# Altium PCB STLINKV2-1.PcbDoc
Units mm, origin at the board's own origin, x right, y up, seen from the top; angles counter-clockwise.
Board outline 30.3 x 20.25 mm, 2 copper layers (Top Layer, Bottom Layer); 46 components, 40 nets, 157 pads, 63 vias.
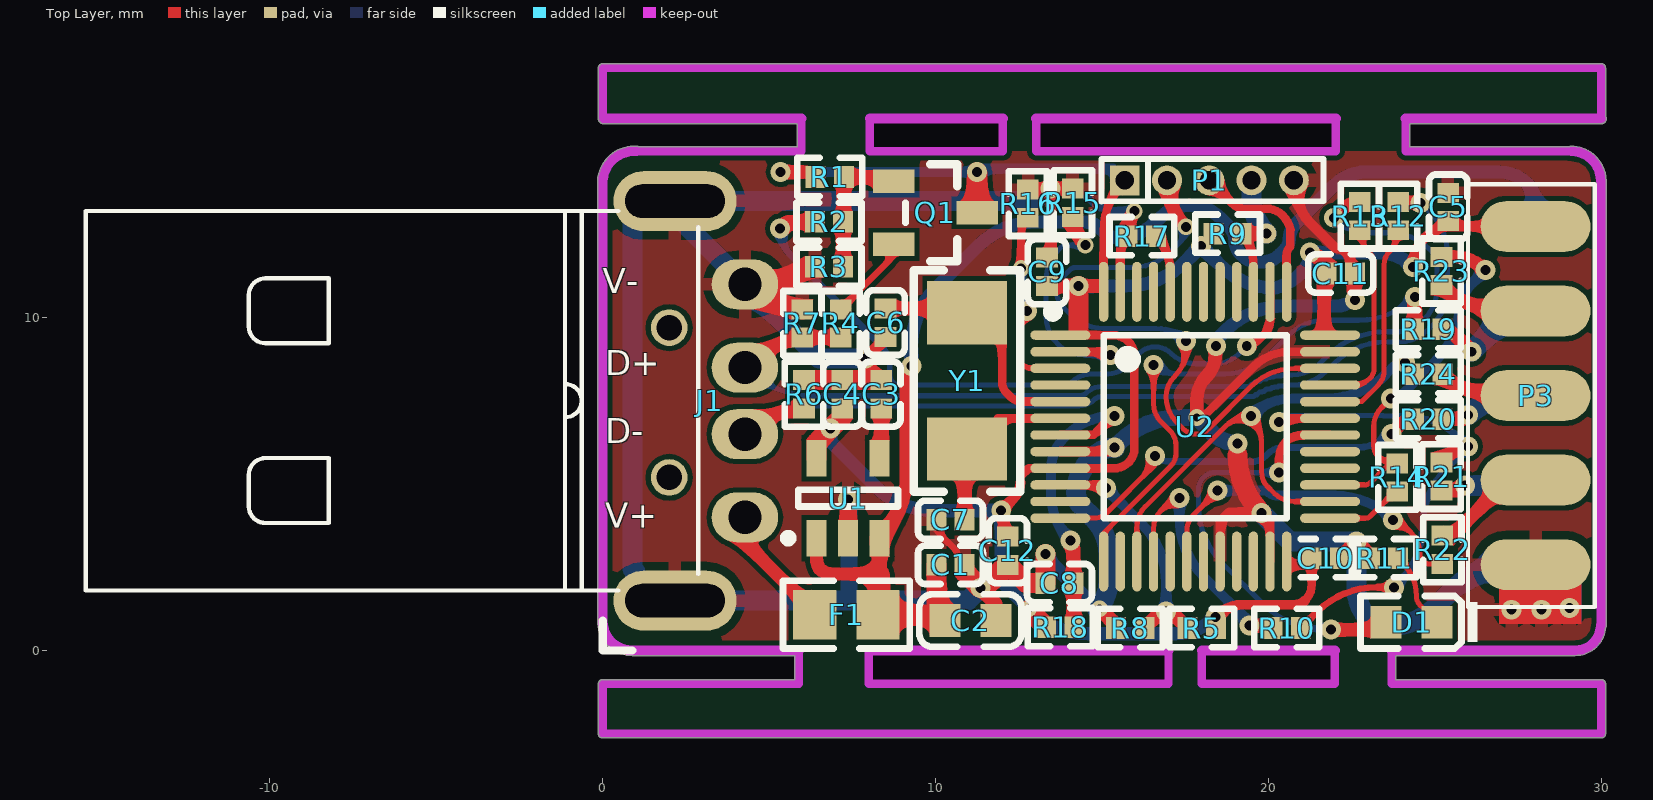
[diagram p0: Top Layer view]
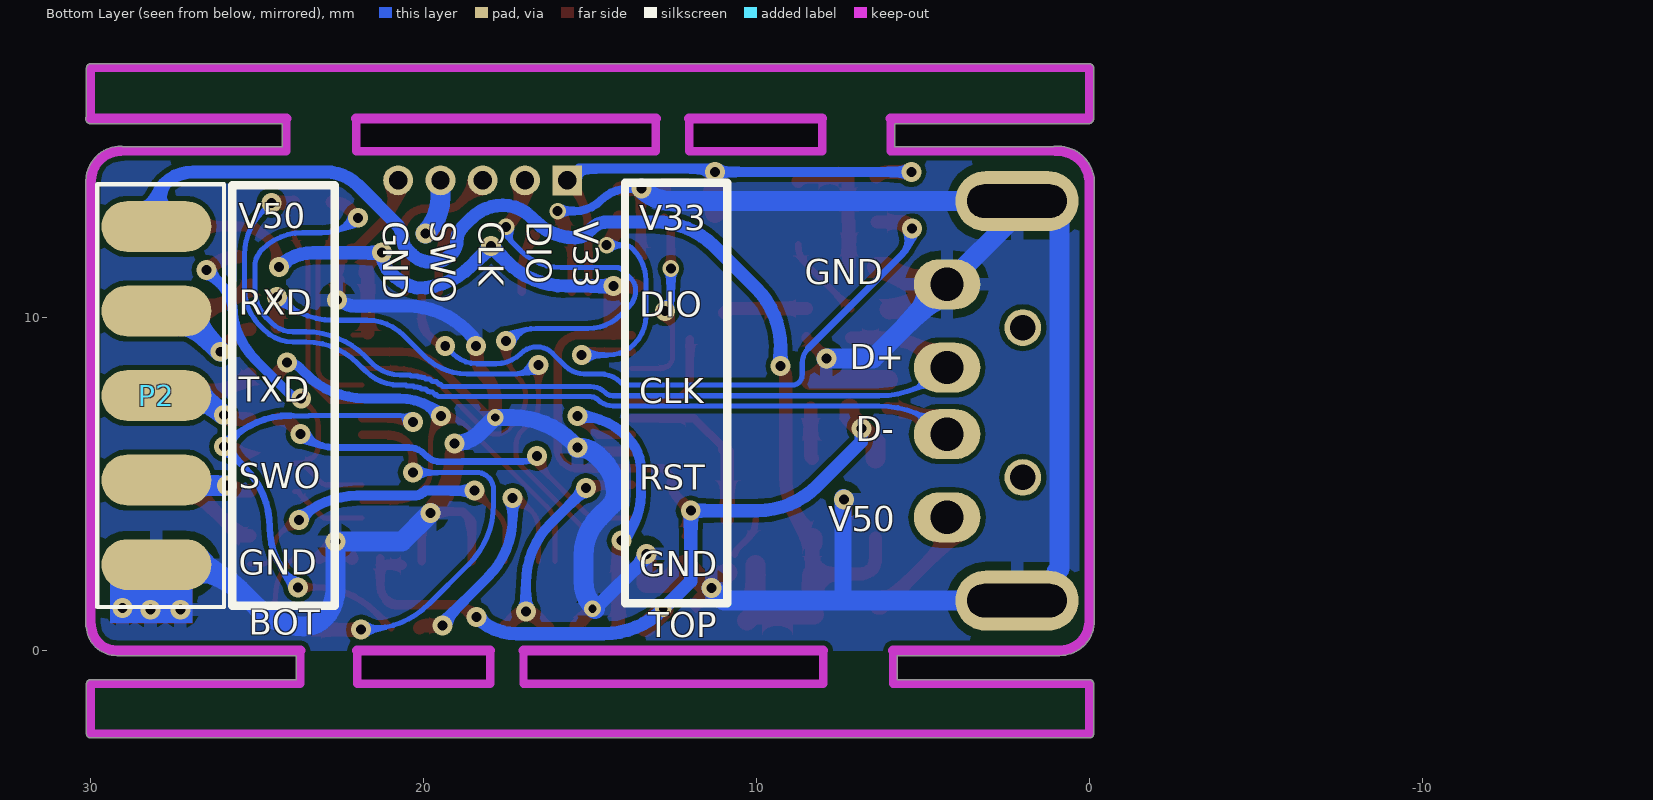
[diagram p1: Bottom Layer view, seen from below]
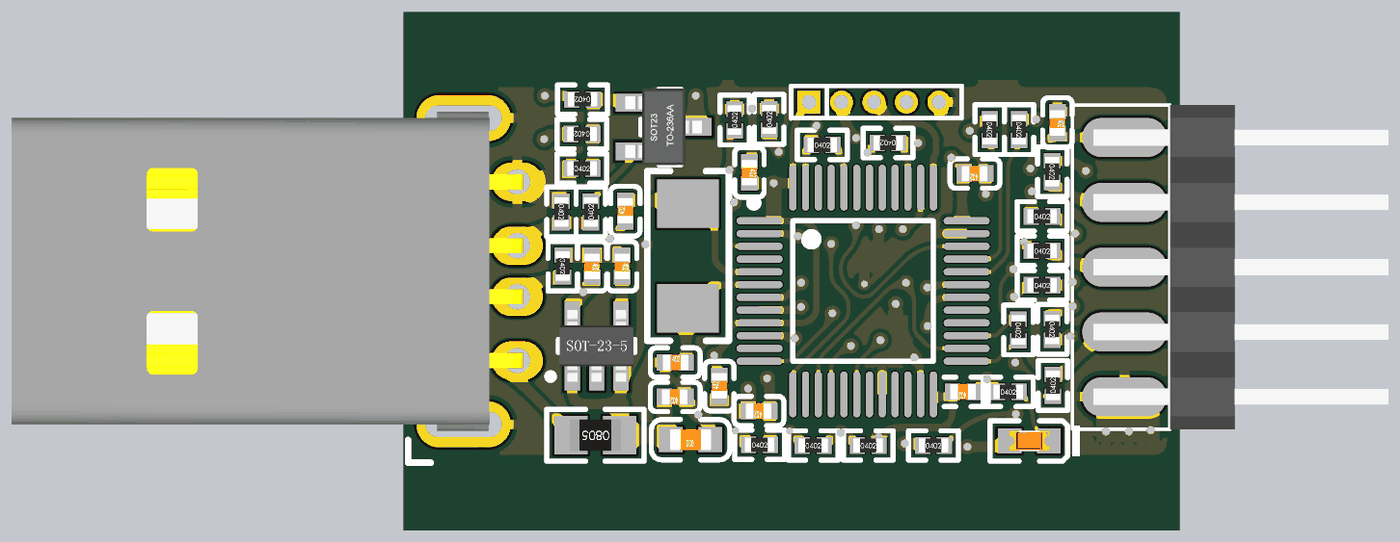
[diagram p2: 3D render of the assembled board from above, using the file's embedded part models]

## Layer stack, top to bottom
Top Solder: solder mask 0.0102, Solder Resist, Dk 3.5
Top Layer: signal copper 0.0356
Dielectric 1: dielectric 0.32, FR-4, Dk 4.8
Bottom Layer: signal copper 0.0356
Bottom Solder: solder mask 0.0102, Solder Resist, Dk 3.5

## Board outline
-0.127,-2.5 -0.127,-1 cw(c0,-1) 0,-0.873 5.773,-0.873 5.773,-0.15 0.889,-0.15 cw(c0.889,0.889) -0.15,0.889 cw(c0,0.889) -0.15,0.89 -0.15,14.111 cw(c0,14.111) -0.15,14.122 cw(c0.953,14.048) 1.026,15.15 cw(c1.016,15) 1.096,15.127 5.848,15.127 5.848,15.825 0.025,15.825 cw(c0.025,15.975) -0.115,15.921 cw(c0,15.975) -0.127,15.975 -0.127,17.5 cw(c0,17.5) 0,17.627 30,17.627 cw(c30,17.5) 30.127,17.5 30.127,16.055 cw(c30,15.975) 30.15,15.975 cw(c30,15.975) 30,15.825 24.252,15.825 24.252,15.127 29.02,15.127 cw(c29.1,15) 29.1,15.15 cw(c29.1,14.111) 30.138,14.172 cw(c30,14.111) 30.15,14.111 30.15,0.762 cw(c30,0.762) 30.135,0.696 cw(c29.225,0.762) 29.225,-0.15 23.827,-0.15 23.827,-0.873 30,-0.873 cw(c30,-1) 30.127,-1 30.127,-2.5 cw(c30,-2.5) 30,-2.627 0,-2.627 cw(c0,-2.5)
cut-out: 8,-1 17,-1 17,0 8,0
cut-out: 13.025,15 13.025,15.975 22.025,15.975 22.025,15
cut-out: 18,-1 22,-1 22,0 18,0
cut-out: 8.025,15 8.025,15.975 12.025,15.975 12.025,15

## Design rules (kind name [scope] priority, off if disabled: settings)
Clearance Clearance_2 [InNamedPolygon('Bottom Layer')] p1: gap=0.152 ignorepadtopadclearanceinfootprint=FALSE except(0: Arc-Text Arc-Hole Track-Text Track-Hole SMDPad-Text SMDPad-Hole THPad-Text THPad-Hole Via-Text Via-Hole Fill-Text Fill-Hole Poly-Text Poly-Hole Region-Text Region-Hole Text-Text Text-Hole)
Clearance Clearance_1 [InNamedPolygon('TOP Layer')] p2: gap=0.152 ignorepadtopadclearanceinfootprint=FALSE except(0: Arc-Text Arc-Hole Track-Text Track-Hole SMDPad-Text SMDPad-Hole THPad-Text THPad-Hole Via-Text Via-Hole Fill-Text Fill-Hole Poly-Text Poly-Hole Region-Text Region-Hole Text-Text Text-Hole)
Clearance [All] p3: gap=0.152 ignorepadtopadclearanceinfootprint=FALSE except(0: Arc-Hole Track-Hole SMDPad-Hole THPad-Hole Via-Hole Fill-Hole Poly-Hole Region-Hole Text-Hole)
ComponentClearance [All] p1 off: gap=0.254 collisioncheckmode=3 verticalgap=0.254 showdistances=FALSE
DiffPairsRouting [All] p1: maxlimit=0.254 minlimit=0.152 mostfreqgap=0.152 toplayer_minwidth=0.152 toplayer_maxwidth=0.381 toplayer_prefwidth=0.152 bottomlayer_minwidth=0.152 bottomlayer_maxwidth=0.381 bottomlayer_prefwidth=0.152 maxuncoupledlength=12.7
Height [All] p1 off: minheight=0 maxheight=25.4 prefheight=12.7
HoleSize [All] p1: absolutevalues=TRUE maxlimit=5 minlimit=0.025 maxpercent=80.000 minpercent=20.000
PolygonConnect PolygonConnect_2 [All vs IsNamedPolygon('TOP Layer')] p1: connectstyle=Relief reliefconductorwidth=0.381 reliefentries=4 polygonreliefangle="90 Angle" airgapwidth=0.254
PolygonConnect PolygonConnect_1 [All vs IsNamedPolygon('Bottom Layer')] p2: connectstyle=Relief reliefconductorwidth=0.381 reliefentries=4 polygonreliefangle="90 Angle" airgapwidth=0.254
PolygonConnect [All] p3: connectstyle=Relief reliefconductorwidth=0.254 reliefentries=4 polygonreliefangle="90 Angle" airgapwidth=0.254
RoutingVias [All] p1: holewidth=0.3 width=0.6 viastyle="Through Hole" minholewidth=0.25 minwidth=0.5 maxholewidth=0.7 maxwidth=1
SolderMaskExpansion [All] p1: expansion=0.102 istentingtop=FALSE
Width [All] p1: maxlimit=1.27 minlimit=0.152 preferedwidth=0.152
26 further rules are at their usual default settings.

## Classes and differential pairs
differential pair USB0: +USB0_P -USB0_N
differential pair USB: +USB_P -USB_N

## Components (designator, comment, footprint, x,y, rotation, side; value= is the part's Value field where it differs from the comment)
C1 "1.0uF (105) 10% 25V" 0402_C 10.45,2.575 r180 top
C2 "100nF (104) 10% 50V" 0603_C 11.05,0.9 r180 top
C3 "100nF (104) 10% 16V" 0402_C 8.375,7.7 r270 top
C4 "100nF (104) 10% 16V" 0402_C 7.2,7.7 r270 top
C5 "1.0uF (105) 10% 25V" 0402_C 25.4,13.325 r270 top
C6 "20pF (200) 5% 50V" 0402_C 8.5,9.85 r90 top
C7 "20pF (200) 5% 50V" 0402_C 10.45,3.925 r0 top
C8 "100nF (104) 10% 16V" 0402_C 13.725,2.025 r180 top
C9 "100nF (104) 10% 16V" 0402_C 13.35,11.375 r270 top
C10 "100nF (104) 10% 16V" 0402_C 21.725,2.775 r180 top
C11 "100nF (104) 10% 16V" 0402_C 22.175,11.325 r180 top
C12 "100nF (104) 10% 16V" 0402_C 12.175,3 r90 top
D1 "绿灯 0603" 0603_LED_S1 24.3,0.85 r180 top
F1 "Fuse1" 0805-1 7.325,1.075 r180 top
J1 "USB" USB-B 2.875,7.5 r90 top
P1 "SWD" SIP5-1.27 16.955,14.125 r180 top
P2 "P_BOTTOM" "HEADER 5" 28.025,12.74 r270 bottom
P3 "P_TOP" "HEADER 5" 28.025,2.58 r90 top
Q1 "MMBT5551  G1" SOT-23(SOT-23-3) 10,13.15 r180 top
R1 "10KΩ (1002) ±1%" 0402_R 6.825,14.225 r180 top
R2 "330Ω (3300) ±1%" 0402_R 6.8,12.875 r180 top
R3 "47KΩ (4702) ±1%" 0402_R 6.8,11.525 r0 top
R4 "1.5KΩ (1501) ±1%" 0402_R 7.15,9.825 r90 top
R5 "4.7KΩ (4701) ±1%" 0402_R 18,0.675 r0 top
R6 "1MΩ (1004) ±1%" 0402_R 6.05,7.7 r270 top
R7 "1MΩ (1004) ±1%" 0402_R 6,9.825 r270 top
R8 "4.7KΩ (4701) ±1%" 0402_R 15.85,0.675 r0 top
R9 "4.7KΩ (4701) ±1%" 0402_R 18.775,12.525 r180 top
R10 "100Ω (1000) ±1%" 0402_R 20.55,0.675 r0 top
R11 "2.2KΩ (2201) ±1%" 0402_R 23.475,2.775 r0 top
R12 "22Ω (22R0) ±1%" 0402_R 23.9,13.05 r270 top
R13 "22Ω (22R0) ±1%" 0402_R 22.75,13.05 r270 top
R14 "100Ω (1000) ±1%" 0402_R 23.875,5.2 r270 top
R15 "10KΩ (1002) ±1%" 0402_R 14.125,13.45 r90 top
R16 "10KΩ (1002) ±1%" 0402_R 12.775,13.425 r90 top
R17 "100KΩ (1003) ±1%" 0402_R 16.2,12.45 r0 top
R18 "100KΩ (1003) ±1%" 0402_R 13.75,0.7 r0 top
R19 "22Ω (22R0) ±1%" 0402_R 24.8,9.65 r0 top
R20 "22Ω (22R0) ±1%" 0402_R 24.8,6.95 r0 top
R21 "22Ω (22R0) ±1%" 0402_R 25.2,5.225 r270 top
R22 "22Ω (22R0) ±1%" 0402_R 25.225,3.025 r90 top
R23 "22Ω (22R0) ±1%" 0402_R 25.2,11.4 r270 top
R24 "22Ω (22R0) ±1%" 0402_R 24.8,8.3 r0 top
U1 "SGM2036-3.3YN5G/TR" SOT23-5 7.375,4.575 r90 top
U2 "STM32F103C8T6" LQFP-48_7x7x05P 17.8,6.725 r270 top
Y1 "X50328MSB2GI" SMD-5032_2P 10.95,8.1 r90 top

## Footprints (in the part's own frame and the unit in brackets; to place one, negate y for a bottom-side part, rotate by r counter-clockwise, add the part's x,y. Pads: shape width x height; smd on the part's side, far side on the other; paste and mask are expansions set on the pad)
0402_C [mm]
  rect 0.6x0.65 smd mask+0.051: 1(-0.425,0) 2(0.425,0)
  silkscreen extent -0.97,-0.58 0.97,0.58, body extent -0.48,-0.3 0.52,0.3, height 0.2
0402_R [mm]
  rect 0.6x0.65 smd mask+0.051: 1(-0.425,0) 2(0.425,0)
  silkscreen extent -0.97,-0.58 0.97,0.57, body extent -0.57,-0.27 0.58,0.28, height 0.41
0603_C [mm]
  rect 0.93x0.98 smd: 1(-0.77,0) 2(0.77,0)
  silkscreen extent -1.53,-0.79 1.54,0.79, body extent -0.8,-0.4 0.8,0.4, height 0.3
0603_LED_S1 [mm]
  rect 0.93x0.98 smd: A(0.77,0) K(-0.77,0)
  silkscreen extent -1.97,-0.79 1.53,0.79, body extent -0.8,-0.4 0.8,0.4, height 0.6
0805-1 [mm] "0805带丝印"
  rect 1.3x1.5 smd: 1(-0.95,0) 2(0.95,0)
  silkscreen extent -1.91,-1.02 1.9,1.02, body extent -1,-0.62 1,0.63, height 0.5
"HEADER 5" [mil]
  oval 60x130 smd: 1(0,0) 2(100,0) 3(200,0) 4(300,0) 5(400,0)
  silkscreen extent -50,-70 450,80, body extent -50,-406 450,48, height 70
LQFP-48_7x7x05P [mm]
  oval 0.28x1.8 smd mask+0.051: 1(-2.75,-4.05) 2(-2.25,-4.05) 3(-1.75,-4.05) 4(-1.25,-4.05) 5(-0.75,-4.05) 6(-0.25,-4.05) 7(0.25,-4.05) 8(0.75,-4.05) 9(1.25,-4.05) 10(1.75,-4.05) 11(2.25,-4.05) 12(2.75,-4.05) 25(2.75,4.05) 26(2.25,4.05) 27(1.75,4.05) 28(1.25,4.05) 29(0.75,4.05) 30(0.25,4.05) 31(-0.25,4.05) 32(-0.75,4.05) 33(-1.25,4.05) 34(-1.75,4.05) 35(-2.25,4.05) 36(-2.75,4.05)
  oval 1.8x0.28 smd mask+0.051: 13(4.05,-2.75) 14(4.05,-2.25) 15(4.05,-1.75) 16(4.05,-1.25) 17(4.05,-0.75) 18(4.05,-0.25) 19(4.05,0.25) 20(4.05,0.75) 21(4.05,1.25) 22(4.05,1.75) 23(4.05,2.25) 24(4.05,2.75) 37(-4.05,2.75) 38(-4.05,2.25) 39(-4.05,1.75) 40(-4.05,1.25) 41(-4.05,0.75) 42(-4.05,0.25) 43(-4.05,-0.25) 44(-4.05,-0.75) 45(-4.05,-1.25) 46(-4.05,-1.75) 47(-4.05,-2.25) 48(-4.05,-2.75)
  silkscreen extent -3.6,-4.42 2.75,2.75
SIP5-1.27 [mm]
  rect 0.9x0.9 hole 0.55: 1(1.27,0)
  round 0.9 hole 0.55: 2(0,0) 3(-1.27,0) 4(-2.54,0) 5(-3.81,0)
  silkscreen extent -4.7,-0.64 1.97,0.64
SMD-5032_2P [mm]
  rect 1.9x2.4 smd: 1(-2.05,0) 2(2.05,0)
  silkscreen extent -3.33,-1.6 3.33,1.6
SOT23-5 [mm] "Max4173"
  rect 1.1x0.6 smd: 1(-1.2,0.95) 2(-1.2,0) 3(-1.2,-0.95) 4(1.2,-0.95) 5(1.2,0.95)
  silkscreen extent -1.32,-1.5 0.25,1.92, body extent -1.4,-1.45 1.4,1.45, height 1.2
SOT-23(SOT-23-3) [mm]
  rect 1.25x0.7 smd: 1(1.25,-0.95) 2(1.25,0.95) 3(-1.25,0)
  silkscreen extent -0.65,-1.46 0.9,1.46, body extent -1.5,-1.5 1.5,1.5, height 1.3
USB-B [mm]
  oval 1.5x2 hole 1: 1(-3.5,-1.4) 2(-1,-1.4) 3(1,-1.4) 4(3.5,-1.4)
  oval 1.8x3.7 hole 1 slot 3 at 90 deg: 5(6,0.7) 6(-6,0.7)
  silkscreen extent -5.69,0 5.71,18.4, body extent -6.25,-1.63 6.25,18.4, height 4.52

## Part data
C1 C5: library part "0402 1.0uF (105) 10% 25V", "贴片电容", Package=0402, SuppliersPartNumber=C52923, ComponentLink1Description=供应商链接, ComponentLink1URL=http://www.szlcsc.com/product/details_53938.html, Supplier=LC
C2: library part "0603 100nF (104) 10% 50V", "贴片电容", Package=0603, SuppliersPartNumber=C14663, ComponentLink1Description=供应商链接, ComponentLink1URL=http://www.szlcsc.com/product/details_15331.html, Supplier=LC
C3 C4 C8 C9 C10 C11 C12: library part "0402 100nF (104) 10% 16V", "贴片电容", Package=0402, SuppliersPartNumber=C1525, ComponentLink1Description=供应商链接, ComponentLink1URL=http://www.szlcsc.com/product/details_1877.html, Supplier=LC, VAL=0.1uF
C6 C7: library part "0402 20pF (200) 5% 50V", "贴片电容", Package=0402, SuppliersPartNumber=C1554, ComponentLink1Description=供应商链接, ComponentLink1URL=http://www.szlcsc.com/product/details_1906.html, Supplier=LC, VAL=20pF
D1: library part "0603 绿灯", "发光二极管", Package=0603, SuppliersPartNumber=C72043, ComponentLink1Description=供应商链接, ComponentLink1URL=http://www.szlcsc.com/product/details_73152.html, Supplier=LC
F1: "保险丝", VAL=500mA
J1: "USB接口"
P1 P2 P3: library part "Header 5", "Header, 5-Pin"
Q1: library part "SOT-23 MMBT5551  G1", "三极管", Package=SOT-23, SuppliersPartNumber=C2145, ComponentLink1Description=供应商链接, ComponentLink1URL=http://www.szlcsc.com/product/details_2502.html, Supplier=LC
R1 R15 R16: library part "0402 10KΩ (1002) 1%", "贴片电阻", Package=0402, SuppliersPartNumber=C25744, ComponentLink1Description=供应商链接, ComponentLink1URL=http://www.szlcsc.com/product/details_26487.html, Supplier=LC
R2: library part "0402 330Ω (3300) 1%", "贴片电阻", Package=0402, SuppliersPartNumber=C25104, ComponentLink1Description=供应商链接, ComponentLink1URL=http://www.szlcsc.com/product/details_25847.html, Supplier=LC
R3: library part "0402 47KΩ (4702) 1%", "贴片电阻", Package=0402, SuppliersPartNumber=C25792, ComponentLink1Description=供应商链接, ComponentLink1URL=http://www.szlcsc.com/product/details_26535.html, Supplier=LC
R4: library part "0402 1.5KΩ (1501) 1%", "贴片电阻", Package=0402, SuppliersPartNumber=C25867, ComponentLink1Description=供应商链接, ComponentLink1URL=http://www.szlcsc.com/product/details_26610.html, Supplier=LC
R5 R8 R9: library part "0402 4.7KΩ (4701) 1%", "贴片电阻", Package=0402, SuppliersPartNumber=C25900, ComponentLink1Description=供应商链接, ComponentLink1URL=http://www.szlcsc.com/product/details_26643.html, Supplier=LC
R6 R7: library part "0402 1MΩ (1004) 1%", "TVS", Package=0402, SuppliersPartNumber=C26083, ComponentLink1Description=供应商链接, ComponentLink1URL=http://www.szlcsc.com/product/details_26826.html, Supplier=LC
R10 R14: library part "0402 100Ω (1000) 1%", "贴片电阻", Package=0402, SuppliersPartNumber=C25076, ComponentLink1Description=供应商链接, ComponentLink1URL=http://www.szlcsc.com/product/details_25819.html, Supplier=LC
R11: library part "0402 2.2KΩ (2201) 1%", "贴片电阻", Package=0402, SuppliersPartNumber=C25879, ComponentLink1Description=供应商链接, ComponentLink1URL=http://www.szlcsc.com/product/details_26622.html, Supplier=LC, VAL=2.2KΩ
R12 R13 R19 R20 R21 R22 R23 R24: library part "0402 22Ω (22R0) 1%", "贴片电阻", Package=0402, SuppliersPartNumber=C25092, ComponentLink1Description=供应商链接, ComponentLink1URL=http://www.szlcsc.com/product/details_25835.html, Supplier=LC, VAL=22Ω
R17 R18: library part "0402 100KΩ (1003) 1%", "贴片电阻", Package=0402, SuppliersPartNumber=C25741, ComponentLink1Description=供应商链接, ComponentLink1URL=http://www.szlcsc.com/product/details_26484.html, Supplier=LC
U1: library part SPX3819, "低压差线性稳压(LDO)", Package=SOT-23-5, SuppliersPartNumber=C92402, ComponentLink1Description=供应商链接, ComponentLink1URL=http://item.szlcsc.com/93595.html, Supplier=LC
U2: "STM32 ARM-based 32-bit MCU with 64 Kbytes Flash, 48-pin LQFP, Industrial Temperature", Package=LQFP-48_7x7x05P, SuppliersPartNumber=C8734, ComponentLink1Description=供应商链接, ComponentLink1URL=http://www.szlcsc.com/product/details_9243.html, Supplier=LC
Y1: library part "SMD-5032_2P 8MHz 20ppm 20pF", "贴片无源晶振8MHz ±20ppm 20pF", Package=SMD-5032_2P, SuppliersPartNumber=C115962, ComponentLink1Description=供应商链接, ComponentLink1URL=http://www.szlcsc.com/product/details_117214.html, Supplier=LC

## Free pads (board coordinates)
  round 1.1 hole 0.762: 0(2,5.2) 0(2,9.7)

## Via types
v1: diameter 0.6, hole 0.3, Top Layer to Bottom Layer, tented both sides, 56 vias
v2: diameter 0.5, hole 0.3, Top Layer to Bottom Layer, tented both sides, 4 vias
v3: diameter 0.5, hole 0.25, Top Layer to Bottom Layer, tented both sides, 3 vias

## Nets (pads, with @x,y where several pads share a name; then routed paths per layer and width w, separated by ;. In a path a pad name is that pad's centre, name@x,y a point inside that pad or via, vN(x,y) a via of type N, cw(c..) or ccw(c..) an arc to the next point about the centre after c; other vN are vias at no path point)
3.3V: C4.2 C5.2 C9.2 C10.2 C11.2 C12.2 P1.1 P3.5 Q1.3 R1.2 R5.2 R9.2 R18.1 U1.5 U2.1 U2.9 U2.24 U2.36 U2.48 | length 72.5
  Top Layer w0.152: C12.2@12.05,3.55 C12.2 ; v3@12.8,1.225 v3(12.8,1.25) ; C9.2 C9.2@13.6,10.95 ; U2.36 U2.36@22.125,9.475
  Top Layer w0.254: 12.55,5.05 12.55,5.225 12.8,5.475 U2.9 13.754,5.471 15.35,5.471 ccw(c15.35,6.124) 15.812,5.662 ; U2.1 15.317,9.475 cw(c15.317,8.792) 15.8,9.275 cw(c15.388,8.863) 15.971,8.863 15.971,6.045 cw(c15.43,6.045) 15.813,5.663 ; U2.48 15.05,12.592 cw(c17.218,12.592) P1.1 cw(c17.218,12.592) P1.1 ; 21.101,1.501 ccw(c20.617,1.983) 21.3,1.98 ccw(c20.617,1.983) 21.3,1.983 C10.2
  Top Layer w0.3: v1(11.975,4.2) 12.351,4.576 ccw(c11.878,5.05) 12.548,5.05 ; C12.2@12.05,3.55 v1@12.05,4.2 ; v1(18.406,1.002) 18.462,1.059 cw(c19.225,0.296) 19.225,1.375 20.798,1.375 ccw(c20.798,1.802) 21.1,1.5 ; U2.24@20.65,2.575 C10.2@21.3,2.575 ; v1(24.35,11.525) 24.35,11.59 cw(c25.46,11.59) 24.527,12.192 cw(c25.46,11.59) 24.675,12.375 24.715,12.415 cw(c25.5,11.629) 25.5,12.74 P3.5
  Top Layer w0.4: v1(5.35,14.375) 6.038,14.375 cw(c6.038,13.863) R1.2@6.4,14.225 ; U1.5 U1.5@6.475,5.825 ; C9.2@13.6,10.95 v1@14.275,10.95 ; v1(14.3,10.95) 14.9,10.95 ; v1(21.25,11.95) 21.175,11.95 cw(c21.175,11.375) 21.75,11.375 C11.2 ; U2.36@21.675,9.55 C11.2@21.675,11.3
  Top Layer w0.6: U1.5 6.425,6.25 v1(6.85,6.675) 7.2,7.025 C4.2 ; Q1.3 v1(11.25,14.375) ; v3@12.8,1.225 R18.1 ; v1@14.275,10.95 v1(14.3,10.95) 14.3,9.635
  Bottom Layer w0.3: v1(5.35,14.375) v1(11.25,14.375) 11.352,14.477 15.333,14.477 P1.1
  Bottom Layer w0.4: v1(6.85,6.675) 6.85,6.275 8.181,4.944 ccw(c9.977,6.74) 9.977,4.2 v1(11.975,4.2) 11.975,2.075 v3(12.8,1.25) 12.804,1.246 ccw(c14.6,3.042) 14.6,0.502 17.198,0.502 ccw(c17.198,2.21) v1(18.406,1.002) ; v1(14.3,10.95) 15.723,10.95 ccw(c15.723,13.49) 17.519,11.694 v1(17.976,12.151) 18.56,11.567 ccw(c20.2,13.207) 20.2,10.888 ccw(c19.729,12.626) 21.003,11.353 ccw(c20.405,11.95) v1(21.25,11.95) 23.324,11.95 cw(c23.324,10.499) v1(24.35,11.525)
5V: C1.2 C2.2 F1.1 P2.1 U1.1 U1.3 | length 39.1
  Top Layer w0.4: U1.1 6.425,2.783 ccw(c7.108,2.783) 6.499,2.474 ccw(c6.919,2.894) 6.919,2.3 8.325,2.3 U1.3@8.325,3.214 ; U1.3 8.381,3.431 ccw(c6.585,5.227) 9.125,5.227 9.125,8.188 cw(c9.637,8.188) v1(9.275,8.55)
  Top Layer w0.6: 8.325,2.3 8.325,1.125 F1.1 C2.2@10.105,1.075 ; U1.3@8.325,3.214 U1.3 ; C1.2 10.025,1.155 C2.2@10.105,1.075 ; C2.2 C2.2@10.105,1.075
  Bottom Layer w0.4: v1(9.275,8.55) 9.275,9.098 cw(c11.815,9.098) 10.019,10.894 11.256,12.131 cw(c13.052,10.335) 13.052,12.875 14.467,12.875 cw(c14.467,12.192) 14.95,12.675 15.066,12.559 ccw(c15.45,12.943) 15.45,12.4 ccw(c15.45,14.09) 16.645,12.895 16.771,13.021 cw(c17.625,12.168) 17.625,13.375 cw(c17.625,12.047) 18.564,12.986 18.823,12.727 ; 18.823,12.727 cw(c18.396,12.3) 19,12.3 ccw(c19.542,12.3) 19.159,11.917 ccw(c19.923,12.681) 19.537,11.671 19.798,11.671 ccw(c19.798,12.452) 20.35,11.9 20.501,12.051 ccw(c20.203,12.35) 20.625,12.35 cw(c21.289,12.35) 20.819,12.819 21.972,13.972 cw(c22.945,12.999) 22.945,14.375 26.93,14.375 cw(c26.93,13.18) 27.775,14.025 cw(c27.171,13.421) 28.025,13.421 P2.1
BOOT0: R17.2 U2.44 | length 1.9
  Top Layer w0.152: R17.2@16.725,12.45 R17.2@16.725,12.575
  Top Layer w0.254: R17.2 cw(c15.599,11.424) 17.05,11.424 U2.44
GND: C1.1 C2.1 C3.1 C4.1 C5.1 C6.1 C7.1 C8.2 C9.1 C10.1 C11.1 C12.1 J1.4 J1.5 J1.6 P1.5 P2.5 P3.1 R3.1 R6.1 R7.1 R8.1 R11.1 R15.2 R16.2 R17.1 U1.2 U2.8 U2.20 U2.23 U2.35 U2.47 | length 123.5
  Top Layer w0.152: J1.6@2.159,1.5 J1.6 ; J1.5@2.159,13.5 J1.5 ; C7.1@10.025,3.669 C7.1 ; C1.1@10.875,2.35 C1.1 C1.1@10.875,2.819 ; v1(11.35,1.875) v1@11.475,1.875 ; C2.1@11.82,1.2 11.82,1.405 ; C9.1 C9.1@13.475,11.925 ; v1@13.475,13.85 14.1,13.85 R15.2 ; R17.1@15.55,12.25 R17.1@15.775,12.475 ; v1@19.755,4.17 v1(19.8,4.125)
  Top Layer w0.2: C7.1 ccw(c10.81,3.925) 10.255,3.37 10.579,3.046 cw(c10.409,2.875) C1.1@10.65,2.875
  Top Layer w0.254: U2.47 R17.1@15.55,12.232 ; v3@17.85,7.1 18.125,7.1 19.55,8.525 cw(c20.636,7.439) 20.636,8.975 U2.35 U2.35@22.545,8.975 ; U2.20 U2.20@18.55,3.518 ; v1@19.755,4.17 18.82,4.17 ; U2.23 U2.23@20.05,3.521 ; R17.1@15.55,12.232 cw(c16.318,12.232) 15.55,12.25 R17.1@15.55,12.232 ; U2.20@18.55,3.518 cw(c19.472,3.518) 18.82,4.17 ; U2.20@18.55,3.518 18.55,3.9 18.82,4.17 ; U2.23@20.05,3.521 ccw(c19.196,3.521) v1(19.8,4.125) 20.05,3.875 U2.23@20.05,3.521
  Top Layer w0.3: v1@7.798,8.673 v1(7.9,8.775) 8.5,9.375 C6.1 ; C9.1@13.475,11.925 v1@13.475,13.85 ; U2.8 15.3,5.975 15.375,6.05 v1(15.375,6.1) ; P1.5 20.765,14.056 ccw(c22.506,14.056) 21.275,12.825 21.954,12.146 ccw(c22.125,12.316) 22.125,12.075 cw(c22.125,11.894) 22.253,12.022 22.353,11.922 cw(c21.936,11.506) 22.525,11.506 ccw(c22.781,11.506) C11.1
  Top Layer w0.4: v1(7.9,8.775) ccw(c8.323,8.775) 8.024,8.476 C3.1 ; v1(11.35,1.875) 11.82,1.405 ; R16.2 v1@13.45,13.85 ; v1(13.45,13.875) R15.2 ; v3(14.925,1.25) 15.425,0.75 R8.1 ; R17.1 15.775,12.475 15.775,12.717 cw(c16.458,12.717) v2(15.975,13.2) ; v3@17.85,7.1 17.85,7.526 cw(c18.874,7.526) 18.15,8.25 ccw(c17.546,8.854) v1@18.355,9.126 ; 19.075,5.875 v1(19.075,6.225) v1@19.127,6.173 ; C10.1 v1(22.65,3.275) R11.1@23.125,2.8 ; v1@22.518,10.518 22.575,10.46 v1@22.575,10.525 ; v1@22.525,10.525 v1@22.575,10.525 ; C11.1@22.575,11.14 v1@22.575,10.525 ; v1(22.6,10.525) v1@22.575,10.525
  Top Layer w0.5: U1.2@7.375,3.65 v1(7.375,4.54)
  Top Layer w0.6: R7.1 cw(c6,12.604) 4.336,10.939 J1.4 4.857,11 ccw(c4.857,12.793) 6.125,11.525 R3.1 ; R6.1 C3.1 ; C1.1@10.875,2.35 v1(11.35,1.875) ; v1@11.475,1.875 C12.1 12.725,2.025 C8.2 v1(13.3,2.9) ; 19.075,5.875 ccw(c21.55,5.875) v1(19.8,4.125)
  Bottom Layer w0.254: v1(13.45,13.875) 13.83,13.875 cw(c13.83,12.68) 14.675,13.525 ccw(c15.46,14.31) 15.46,13.2 v2(15.975,13.2) ; v1@15.375,6.05 15.375,6.076 v1(15.375,6.1)
  Bottom Layer w0.4: v1(13.3,2.9) 13.3,2.802 v3@14.852,1.25 ; v1(18.425,9.15) cw(c18.847,9.15) 18.549,9.449 18.706,9.606 cw(c20.502,7.81) 20.502,10.35 22.067,10.35 ccw(c22.067,11.033) 22.55,10.55 22.574,10.525 v1(22.6,10.525) ; P1.5 P1.5@20.871,14.019
  Bottom Layer w0.5: 7.375,1.5 ccw(c7.315,1.56) 7.4,1.56 7.4,4.6 ccw(c7.46,4.54) v1(7.375,4.54) ; v1(15.375,6.1) 15.531,6.256 cw(c17.327,4.46) 17.327,7 v3(17.85,7) 18.307,6.543 ccw(c19.075,7.311) v1(19.075,6.225)
  Bottom Layer w0.6: v1(7.9,8.775) 6.5,8.775 J1.4 2.175,13.1 J1.5 ; v1(11.35,1.875) 10.975,1.5 7.375,1.5 1.55,1.5 0.995,2.054 0.995,2.356 0.9,2.451 0.9,12.85 1.55,13.5 J1.5 ; v1@13.449,13.874 cw(c12.545,14.78) 12.545,13.5 J1.5 ; v3@14.852,1.25 ccw(c14.013,2.089) 15.2,2.089 15.2,2.85 ccw(c13.57,2.85) 14.723,4.002 14.384,4.341 cw(c14.768,4.725) 14.225,4.725 cw(c15.613,4.725) 14.632,5.707 14.778,5.853 cw(c15.375,5.255) v1(15.375,6.1) ; v1@15.376,6.076 v1@15.388,6.087 ; v1(19.8,4.125) 20.65,3.275 v1(22.65,3.275) 22.65,1.82 ccw(c23.845,1.82) 23,0.975 ccw(c23.604,1.579) 23.604,0.725 ccw(c23.604,2.708) 25.006,1.306 25.536,1.836 cw(c27.332,0.04) 27.332,2.58 P2.5
  other v1: 27.3,1.225 28.2,1.225 29.05,1.275
MCO: U2.29
NetC3_2: C3.2 U1.4 | length 1.5
  Top Layer w0.4: U1.4 ccw(c8.204,5.896) 8.375,5.896 C3.2
NetC8_1: C8.1 R18.2 U2.7 | length 9.5
  Top Layer w0.152: v1@15.325,7.05 v1(15.375,7.05)
  Top Layer w0.254: U2.7 14.75,6.475 v1@15.325,7.05
  Top Layer w0.4: v1(14.05,3.3) cw(c13.809,3.059) 14.15,3.059 C8.1 14.15,0.76 ccw(c14.235,0.76) R18.2
  Bottom Layer w0.3: v1(14.05,3.3) cw(c15.438,4.688) 13.475,4.688 13.475,5.45 cw(c14.803,5.45) 13.864,6.389 13.924,6.449 cw(c15.375,4.998) v1(15.375,7.05)
NetD1_K: D1.K R11.2 | length 2.3
  Top Layer w0.152: R11.2 24.026,2.649 cw(c23.001,1.625) 24.45,1.625 ccw(c24.824,1.625) 24.56,1.36 D1.K
NetQ1_1: Q1.1 R1.1 R2.1 R3.2 | length 4.2
  Top Layer w0.4: R3.2 R2.1 ccw(c7.165,12.935) 7.25,12.935 R1.1 8.448,14.225 cw(c8.448,13.798) Q1.1
NetQ1_2: Q1.2 R4.2 | length 2.6
  Top Layer w0.2: R4.2 8.503,11.603 ccw(c7.905,12.2) Q1.2
NetR5_1: R5.1 R8.2 U2.10 | length 7.4
  Top Layer w0.254: U2.10 15.026,4.975 v1(15.126,4.875)
  Top Layer w0.4: R8.2 16.669,1.069 cw(c16.925,0.813) v1(16.925,1.175) cw(c16.925,0.813) 17.181,1.069 R5.1
  Bottom Layer w0.3: v1(15.126,4.875) 16.181,3.82 cw(c14.385,2.024) 16.925,2.024 v1(16.925,1.175)
NetR15_1: R15.1 U2.2 | length 8
  Top Layer w0.152: v1@15.15,8.975 v1(15.25,8.875)
  Top Layer w0.254: U2.2 v1@15.15,8.975
  Top Layer w0.4: R15.1 ccw(c15.272,13.025) 14.461,12.214 v2(14.5,12.175)
  Bottom Layer w0.152: v2(14.5,12.175) 13.966,12.175 ccw(c13.966,11.834) 13.725,12.075 ccw(c14.691,11.109) 13.325,11.109 13.325,10.045 ccw(c14.52,10.045) 13.675,9.2 ccw(c14.46,9.985) 14.46,8.875 v1(15.25,8.875)
NetR16_1: R16.1 U2.3 | length 5.9
  Top Layer w0.152: v1@12.75,10.2 ccw(c13.293,9.657) 12.525,9.657 12.525,8.816 ccw(c12.866,8.816) 12.625,8.575 ccw(c12.866,8.816) 12.866,8.475 U2.3
  Top Layer w0.254: v2(12.575,11.475) 12.575,12.517 cw(c13.258,12.517) R16.1
  Bottom Layer w0.152: v1(12.75,10.2) v1@12.75,10.3
  Bottom Layer w0.254: v2(12.575,11.475) 12.575,10.622 ccw(c13.172,10.622) v1(12.75,10.2)
OS_IN: C6.2 U2.5 Y1.2 | length 5.9
  Top Layer w0.152: Y1.2@10.95,10.1 Y1.2
  Top Layer w0.254: Y1.2@12,9.35 12,8.052 ccw(c12.427,8.052) 12.125,7.75 ; 12.125,7.75 12.25,7.625 ccw(c12.612,7.987) 12.612,7.475 U2.5
  Top Layer w0.4: C6.2 10.825,10.275 Y1.2
OS_OUT: C7.2 U2.6 Y1.1 | length 5.3
  Top Layer w0.254: Y1.1 11.875,6.975 U2.6
  Top Layer w0.4: C7.2 10.875,5.975 Y1.1
P_NRST: P3.2 R22.2 | length 3.5
  Top Layer w0.4: R22.2 25.525,3.45 27.195,5.12 P3.2
P_RXD: P2.2 R19.2 | length 3.9
  Top Layer w0.4: R19.2 cw(c25.225,9.167) 25.566,9.509 v1(26.1,8.975)
  Bottom Layer w0.152: P2.2 P2.2@28.473,10.2
  Bottom Layer w0.6: v1(26.1,8.975) 26.83,9.705 cw(c28.025,8.51) P2.2
P_SWCLK: P3.3 R24.2 | length 2.4
  Top Layer w0.4: R24.2 ccw(c26.607,9.682) 26.607,7.728 P3.3@27.45,7.728
P_SWDIO: P3.4 R23.2 | length 3
  Top Layer w0.4: R23.2 25.231,10.944 ccw(c27.027,12.74) 27.027,10.2 P3.4
P_SWO: P2.4 R21.2 | length 2.9
  Top Layer w0.4: R21.2 25.755,4.8 v1(25.908,4.953)
  Bottom Layer w0.6: v1(25.908,4.953) 27.622,4.953 ccw(c27.622,5.523) P2.4
P_TXD: P2.3 R20.2 | length 4.7
  Top Layer w0.3: v1@25.982,7.075 v1(26.001,7.075)
  Top Layer w0.4: R20.2 25.857,6.95 v1@25.982,7.075
  Bottom Layer w0.4: v1(26.001,7.075) 26.586,7.66 27.413,7.66 P2.3
  Bottom Layer w0.6: v1(26.001,7.075) cw(c27.413,5.664) P2.3@27.413,7.66
STA_LED: D1.A U2.30 | length 13
  Top Layer w0.254: v1(20.325,5.35) 20.325,5.792 cw(c21.008,5.792) 20.525,6.275 ; 20.525,6.275 cw(c21.008,5.792) 21.008,6.475 U2.30
  Top Layer w0.4: v1(21.876,0.625) 23.315,0.625 ccw(c23.315,0.71) D1.A@23.375,0.65
  Bottom Layer w0.152: 18.05,5.2 ccw(c18.414,4.837) 17.9,4.837 17.9,4.386 ccw(c20.44,4.386) 18.644,2.59 19.84,1.394 ccw(c21.636,3.19) 21.636,0.65 21.661,0.625 v1(21.876,0.625) ; 18.05,5.2 cw(c18.412,4.838) 18.412,5.35 18.704,5.35 18.71,5.344 20.319,5.344 v1(20.325,5.35)
SWCLK0: P1.3 U2.37 | length 5.2
  Top Layer w0.254: P1.3 18.934,13.416 ccw(c19.275,13.758) 19.275,13.275 19.942,13.275 cw(c19.942,12.592) 20.425,13.075 ; 20.426,13.074 cw(c19.775,12.425) 20.668,12.642 ccw(c20.712,12.598) 20.65,12.598 20.65,12.125 ccw(c20.891,11.884) 20.55,11.884 U2.37
  Bottom Layer w0.2: P1.3 P1.3@18.4,14.125
SWDIO0: P1.2 U2.34 | length 19.1
  Top Layer w0.152: 17.172,8.222 ccw(c17.77,7.625) 16.925,7.625 ccw(c18.011,7.625) 17.243,6.857 ; 17.172,8.222 17.2,8.25 ccw(c16.415,9.035) 17.525,9.035 v1(17.525,9.3) ; 17.243,6.857 17.441,6.659 ccw(c17.825,7.043) 17.825,6.5 ccw(c17.825,7.029) 18.199,6.655 19.472,7.928 cw(c20.793,6.607) 20.793,8.475 U2.34
  Top Layer w0.4: P1.2 16.955,14.101 ccw(c18.901,14.101) v2(17.525,12.725)
  Bottom Layer w0.152: 14.066,10.091 13.841,10.315 cw(c14.351,10.825) 13.63,10.825 cw(c14.124,10.825) 13.775,11.175 14.047,11.447 cw(c14.175,11.319) 14.175,11.5 15.868,11.5 ccw(c15.868,13.207) 17.075,12 17.331,12.256 ccw(c16.861,12.725) v2(17.525,12.725) ; 14.066,10.09 ccw(c15.069,11.094) 15.069,9.675 16.62,9.675 cw(c16.62,8.395) 17.375,9.429 cw(c16.62,8.395) v1(17.525,9.3)
SWO0: P1.4 R9.1 U2.39 | length 4.4
  Top Layer w0.152: P1.4 P1.4@19.55,14.07
  Top Layer w0.254: R9.1 cw(c18.355,11.68) 19.55,11.68 U2.39
  Top Layer w0.4: R9.1 v1(19.95,12.525)
  Bottom Layer w0.6: P1.4 19.495,13.623 ccw(c21.048,13.623) v1(19.95,12.525)
T_JTCK: R24.1 U2.15 U2.26 | length 15.9
  Top Layer w0.152: U2.15 16.05,3.725 cw(c16.895,3.725) 16.297,4.322 ; 16.297,4.322 18.707,6.732 cw(c19.475,5.964) v1(19.475,7.05) cw(c18.704,6.279) 19.795,6.279 19.795,5.361 ccw(c20.411,5.361) 19.974,4.926 20.177,4.723 ; 20.178,4.722 ccw(c20.775,5.32) 20.775,4.475 U2.26
  Top Layer w0.4: v1(24.1,8.65) 24.065,8.65 24.375,8.34 R24.1
  Bottom Layer w0.3: v1(19.475,7.05) v1@19.487,7.062 ; v1@19.488,7.063 cw(c20.725,5.825) 20.725,7.575 21.765,7.575 ccw(c21.765,10.115) 23.375,8.15 23.715,8.49 cw(c24.1,8.105) 23.805,8.563 cw(c24.1,8.105) v1(24.1,8.65)
T_JTDI: U2.17
T_JTDO: R10.1 U2.16 | length 7.8
  Top Layer w0.152: U2.16 16.55,3.675 cw(c17.274,3.675) 16.762,4.187 17.325,4.75 v1(17.325,4.575)
  Top Layer w0.4: v1(19.426,0.75) 19.944,0.75 cw(c19.944,0.494) R10.1
  Bottom Layer w0.152: v1(19.426,0.75) v1@19.426,0.85
  Bottom Layer w0.3: v1(17.325,4.575) 17.325,4.003 ccw(c19.865,4.003) 18.069,2.207 v1@19.426,0.85
T_JTMS: R14.1 R23.1 U2.27 | length 12.3
  Top Layer w0.152: U2.27 22.894,4.975 ccw(c22.894,5.231) 23.075,5.05 23.491,5.466 cw(c23.875,5.082) R14.1 23.771,5.625 cw(c23.771,6.291) 23.3,5.82 cw(c23.626,6.146) 23.165,6.146 23.165,6.725 cw(c23.983,6.725) 23.405,7.304 v1(23.676,7.575) ; 25.564,11.825 26.123,11.825 v1(26.518,11.43)
  Top Layer w0.4: 25.564,11.825 cw(c25.564,10.476) v1(26.518,11.43)
  Bottom Layer w0.3: v1(23.676,7.575) ccw(c23.676,8.117) 24.059,7.734 25.033,8.708 ccw(c23.303,10.439) 25.748,10.334 ; 25.726,10.096 cw(c27.034,10.096) 25.748,10.334 ; v1(26.518,11.43) 26.109,11.022 ccw(c27.034,10.096) 25.748,10.334
T_NRST: R22.1 U2.18 | length 10.5
  Top Layer w0.152: U2.18 17.55,3.592 cw(c18.233,3.592) 17.75,4.075 ; 17.75,4.075 v1(18.475,4.8) ; v1@23.885,3.725 23.75,3.86 v1(23.75,3.925) cw(c23.75,3.563) 24.006,3.819 24.285,3.54 cw(c23.645,2.9) 24.55,2.9 ccw(c24.852,2.9) 24.638,2.687 ccw(c24.848,2.896) 24.848,2.6 R22.1
  Bottom Layer w0.3: v1(18.475,4.8) 19.95,4.8 ccw(c20.312,5.162) 20.312,4.65 22,4.65 cw(c22,2.175) 23.381,4.229 cw(c22,2.175) v1(23.75,3.925)
T_RXD: R19.1 U2.13 | length 16.7
  Top Layer w0.152: U2.13 15.05,3.525 17.066,5.541 ccw(c16.682,5.925) 17.225,5.925 17.225,6.15 ccw(c16.561,6.15) 17.031,6.619 16.762,6.888 ; v1(16.55,8.575) 16.55,7.4 ccw(c17.274,7.4) 16.762,6.888 ; R19.1 24.425,9.7 R19.1@24.401,9.724
  Top Layer w0.4: R19.1@24.401,9.724 v1(24.401,10.626)
  Bottom Layer w0.152: v1(16.55,8.575) ccw(c17.188,9.213) 17.188,8.311 18.7,8.311 ccw(c18.7,10.103) 19.967,8.836 20.595,9.463 cw(c21.7,8.358) 21.7,9.921 22.7,9.921 ccw(c22.7,12.327) v1(24.401,10.626) ; v1(24.401,10.626) v1@24.401,10.705
T_SWDIO_IN: R14.2 U2.25 | length 2.4
  Top Layer w0.152: U2.25 22.929,3.975 ccw(c22.929,4.146) 23.05,4.025 ; 23.05,4.025 R14.2@23.699,4.674 ; R14.2@23.699,4.674 ccw(c23.598,4.775) 23.741,4.775 R14.2
T_SWO: R10.2 R21.1 U2.31 | length 16.4
  Top Layer w0.152: v1(20.313,6.865) 20.313,6.888 v1@20.4,6.975
  Top Layer w0.2: R10.2 21.456,1.156 cw(c23.252,-0.64) 23.252,1.9 v1(23.775,1.9)
  Top Layer w0.254: v1@20.4,6.975 U2.31
  Top Layer w0.4: R21.1@25.445,5.895 cw(c26,5.34) v1(26,6.125)
  Bottom Layer w0.152: v1(20.313,6.865) 20.313,6.888 20.325,6.9 cw(c20.703,6.522) 20.703,7.056 23.448,7.056 23.457,7.047 23.895,7.047 23.905,7.056 23.994,7.056
  Bottom Layer w0.2: v1(23.775,1.9) 23.955,2.08 ccw(c22.337,3.698) 24.625,3.698 cw(c27.165,3.698) 25.369,5.494 v1(26,6.125) 25.813,6.312 ccw(c24.017,4.516) 25.469,6.6 ccw(c24.017,4.516) 24.017,7.056 23.994,7.056
T_TXD: R20.1 U2.12 | length 11.7
  Top Layer w0.152: U2.12 14.75,3.975 ccw(c14.75,4.518) 15.134,4.134 ; 15.134,4.134 v1@16.575,5.575
  Top Layer w0.4: v1(23.701,6.5) 23.701,6.531 23.94,6.77 cw(c24.375,6.335) R20.1
  Bottom Layer w0.2: v1(16.6,5.85) ccw(c17.014,6.264) 17.014,5.679 18.84,5.679 18.846,5.673 19.497,5.673 ccw(c19.497,6.278) 19.925,5.85 19.981,5.906 cw(c20.45,5.436) 20.45,6.1 22.675,6.1 ccw(c22.675,7.537) v1@23.691,6.521 ; v1@23.691,6.521 23.701,6.511 v1(23.701,6.5)
USB0_N: R12.2 U2.32 | length 6.5
  Top Layer w0.152: U2.32 22.775,7.475 ccw(c22.775,7.535) 22.818,7.493 23.297,7.972 ccw(c22.861,8.408) 23.477,8.408 23.477,11.605 cw(c24.012,11.605) 23.634,11.983 ccw(c22.992,12.625) R12.2
USB0_P: R13.2 U2.33 | length 5.8
  Top Layer w0.152: U2.33 22.567,7.975 ccw(c22.567,8.658) 23.05,8.175 ccw(c22.754,8.471) 23.173,8.471 23.173,11.605 ccw(c22.638,11.605) 23.016,11.983 cw(c23.658,12.625) R13.2
USB_N: J1.2 R6.2 R12.1 | length 28.4
  Top Layer w0.381: J1.2 4.343,6.568 cw(c6.05,4.861) R6.2 ; R12.1 ccw(c23.96,13.535) 23.96,13.45 v1(24.575,13.45)
  Bottom Layer w0.152: J1.2 cw(c6.321,4.454) 6.321,7.348 14.314,7.348 ccw(c14.314,7.986) 14.766,7.534 cw(c14.984,7.316) 14.984,7.625 19.536,7.625 19.543,7.632 19.557,7.632 19.61,7.684 19.651,7.684 19.737,7.77 19.814,7.77 19.818,7.775 19.857,7.775 19.863,7.78 19.865,7.78 19.895,7.81 19.898,7.81 19.944,7.856 20.065,7.856 20.108,7.899 20.169,7.899 20.184,7.914 20.281,7.914 20.31,7.943 20.415,7.943 ; 20.416,7.944 20.502,7.944 20.51,7.951 ; 20.511,7.951 20.532,7.972 20.725,7.972 ; 20.726,7.972 ccw(c20.726,9.41) 21.743,8.393 21.975,8.625 cw(c23.533,7.067) 23.533,9.27 23.925,9.27 ccw(c23.925,10.48) 24.781,9.625 24.929,9.773 ccw(c23.852,10.85) 25.375,10.85 25.375,11.9 ccw(c23.564,11.9) 24.845,13.18 v1(24.575,13.45)
USB_P: J1.3 R4.1 R7.2 R13.1 | length 30.8
  Top Layer w0.381: J1.3 4.431,8.656 cw(c6.227,6.86) 6.227,9.4 R4.1 ; v1(21.975,13) 22.238,13.263 cw(c22.75,12.751) R13.1
  Bottom Layer w0.152: J1.3 ccw(c6.321,10.546) 6.321,7.652 14.314,7.652 ccw(c14.314,7.986) 14.55,7.75 cw(c14.984,7.316) 14.984,7.93 17.501,7.93 17.505,7.933 ; 17.505,7.93 19.41,7.93 19.416,7.937 19.431,7.937 19.484,7.989 19.525,7.989 19.611,8.075 19.687,8.075 19.692,8.079 19.731,8.079 19.736,8.085 19.739,8.085 19.768,8.114 19.772,8.114 19.818,8.16 19.939,8.16 19.982,8.204 20.043,8.204 20.058,8.218 20.155,8.218 20.184,8.247 20.289,8.247 ; 20.29,8.248 20.376,8.248 20.384,8.256 ; 20.385,8.256 20.405,8.277 20.703,8.277 ccw(c20.703,9.466) 21.544,8.625 21.759,8.841 cw(c23.533,7.067) 23.533,9.575 23.925,9.575 ccw(c23.925,10.48) 24.565,9.84 24.713,9.988 ccw(c23.852,10.85) 25.07,10.85 25.07,11.518 ccw(c24.318,11.518) 24.85,12.05 ccw(c23.643,10.843) 23.643,12.55 23.061,12.55 cw(c23.061,14.086) v1(21.975,13)
USB_RENM: R2.2 U2.38 | length 20.5
  Top Layer w0.152: v1@19.3,9.15 v1(19.35,9.15)
  Top Layer w0.254: v1@19.3,9.15 ccw(c19.3,9.693) 19.684,9.309 19.9,9.525 ccw(c19.538,9.887) 20.05,9.887 U2.38
  Top Layer w0.4: v1(5.325,12.675) 5.525,12.875 R2.2
  Bottom Layer w0.152: 8.437,9.088 cw(c7.985,8.635) 8.625,8.635 8.625,8.291 ccw(c8.966,8.291) 8.725,8.05 ccw(c8.906,8.231) 8.906,7.975 13.894,7.975 ccw(c13.894,8.231) 14.075,8.05 cw(c14.704,7.421) 14.704,8.311 15.175,8.311 ccw(c15.175,9.121) 15.747,8.547 ; 15.748,8.548 16.132,8.932 ; 16.132,8.932 cw(c16.595,8.469) 16.595,9.124 cw(c16.595,8.445) 17.075,8.925 ccw(c17.823,9.673) 17.823,8.615 18.4,8.615 ccw(c18.4,9.618) 18.897,8.747 ccw(c18.4,9.618) 19.109,8.909 v1(19.35,9.15)
  Bottom Layer w0.2: v1(5.325,12.675) ccw(c6.472,12.675) 5.661,11.864 8.437,9.088
VBUS: F1.2 J1.1 | length 4.5
  Top Layer w0.152: J1.1 J1.1@5.156,4
  Top Layer w0.4: J1.1 4.275,3.25 6.25,1.275 F1.2@6.375,1.275
pads on no net: U2.4 U2.11 U2.14 U2.19 U2.21 U2.22 U2.28 U2.40 U2.41 U2.42 U2.43 U2.45 U2.46

## Polygon pours and split planes (outlines as drawn)
GND on Top Layer "TOP Layer" (solid, pour order 0): 1.016,15 ccw(c1.016,13.935) 0.263,14.688 0.2,14.625 ccw(c0.683,14.142) 0,14.142 0,0.879 ccw(c0.854,0.879) 0.25,0.275 0.268,0.257 ccw(c0.889,0.879) 0.889,0 29.196,0 ccw(c29.196,0.854) 29.8,0.25 ccw(c29.349,0.701) 29.987,0.701 29.987,14.224 ccw(c29.349,14.224) 29.8,14.675 29.74,14.735 ccw(c29.1,14.095) 29.1,15
GND on Bottom Layer "Bottom Layer" (solid, pour order 2): 1.016,15 ccw(c1.016,13.935) 0.263,14.688 0.2,14.625 ccw(c0.683,14.142) 0,14.142 0,0.879 ccw(c0.854,0.879) 0.25,0.275 0.268,0.257 ccw(c0.889,0.879) 0.889,0 29.196,0 ccw(c29.196,0.854) 29.8,0.25 ccw(c29.349,0.701) 29.987,0.701 29.987,14.224 ccw(c29.349,14.224) 29.8,14.675 29.74,14.735 ccw(c29.1,14.095) 29.1,15

## Keep-outs
Keep-Out Layer:
  lines w0.254: 0,15.975 0,17.5 30,17.5 30,15.975 ; 1.016,15 4.525,15 5.975,15 5.975,15.975 ; 5.9,0 5.9,-1 4.5,-1 0,-1 0,-2.5 30,-2.5 30,-1 25,-1 23.7,-1 23.7,0 ; 8,0 8,-1 13,-1 17,-1 17,0 ; 8.025,15.975 8.025,15 12.025,15 12.025,15.975 ; 13.025,15.975 13.025,15 18.025,15 22.025,15 22.025,15.975 ; 18,0 18,-1 22,-1 22,0 ; 24.125,15.975 24.125,15 26.075,15 ; 26.05,15 29.1,15
  lines w0.3: 0.025,15.975 4.525,15.975 5.975,15.975 ; 1.016,15 ccw(c0.953,14.048) 0,14.111 0,0.889 ccw(c0.889,0.889) 0.889,0 4.5,0 5.9,0 ; 8,0 12,0 17,0 ; 8.025,15.975 12.025,15.975 ; 13.025,15.975 17.025,15.975 22.025,15.975 ; 18,0 22,0 ; 23.7,0 25,0 29.225,0 ccw(c29.225,0.762) 29.987,0.762 ; 24.125,15.975 26.075,15.975 ; 26.025,15.975 30,15.975 ; 29.1,15 cw(c29.1,14.111) 29.989,14.111 ; 30,0.762 30,14.111

## Other copper
Top Layer:
  rectangle net GND: 26.925,0.8 29.4,2.875
  pour cut-out: 9.585,9.856 9.611,9.83 9.611,7.061 12.082,7.061 12.147,6.997 12.175,7.025 12.175,9.85 9.591,9.85 9.585,9.856
Bottom Layer:
  rectangle net GND: 26.95,0.825 29.425,2.9

## Silkscreen, mask and mechanical layers (free items; w line width, h text height)
Top Overlay:
  lines w0.254: 0,0.889 0,0 0.889,0
Bottom Overlay:
  lines w0.254: 10.875,1.425 10.875,14.05 13.95,14.05 13.95,1.425 10.875,1.425 ; 22.675,1.35 25.75,1.35 25.75,13.975 22.675,13.975 22.675,1.35
  text "V33" at 15.75,12.9 h1.27 r90
  text "DIO" at 17.151,12.9 h1.27 r90
  text "CLK" at 18.592,12.9 h1.27 r90
  text "SWO" at 20.034,12.9 h1.27 r90
  text "GND" at 21.475,12.9 h1.27 r90
  text "V50" at 25.55,12.425 h1.27
  text "V33" at 13.525,12.375 h1.27
  text "GND" at 8.55,10.75 h1.27
  text "RXD" at 25.55,9.825 h1.27
  text "DIO" at 13.525,9.775 h1.27
  text "D+" at 7.2,8.2 h1.27
  text "TXD" at 25.55,7.225 h1.27
  text "CLK" at 13.525,7.175 h1.27
  text "D-" at 7.025,6.025 h1.27
  text "SWO" at 25.55,4.625 h1.27
  text "RST" at 13.525,4.575 h1.27
  text "V50" at 7.85,3.325 h1.27
  text "GND" at 25.55,2.025 h1.27
  text "GND" at 13.525,1.975 h1.27
  text "BOT" at 25.25,0.225 h1.27
  text "TOP" at 13.25,0.15 h1.27

## Text inside footprints (layer, text, board x,y; h text height)
J1: Top Overlay "D-" at 0.081,5.976 h1.27; Top Overlay "V-" at 0.005,10.475 h1.27; Top Overlay "V+" at 0.081,3.436 h1.27; Top Overlay "D+" at 0.081,8.008 h1.27